# Altium PCB 24V-12V_5X4.PcbDoc (part 1 of 4) (continued)
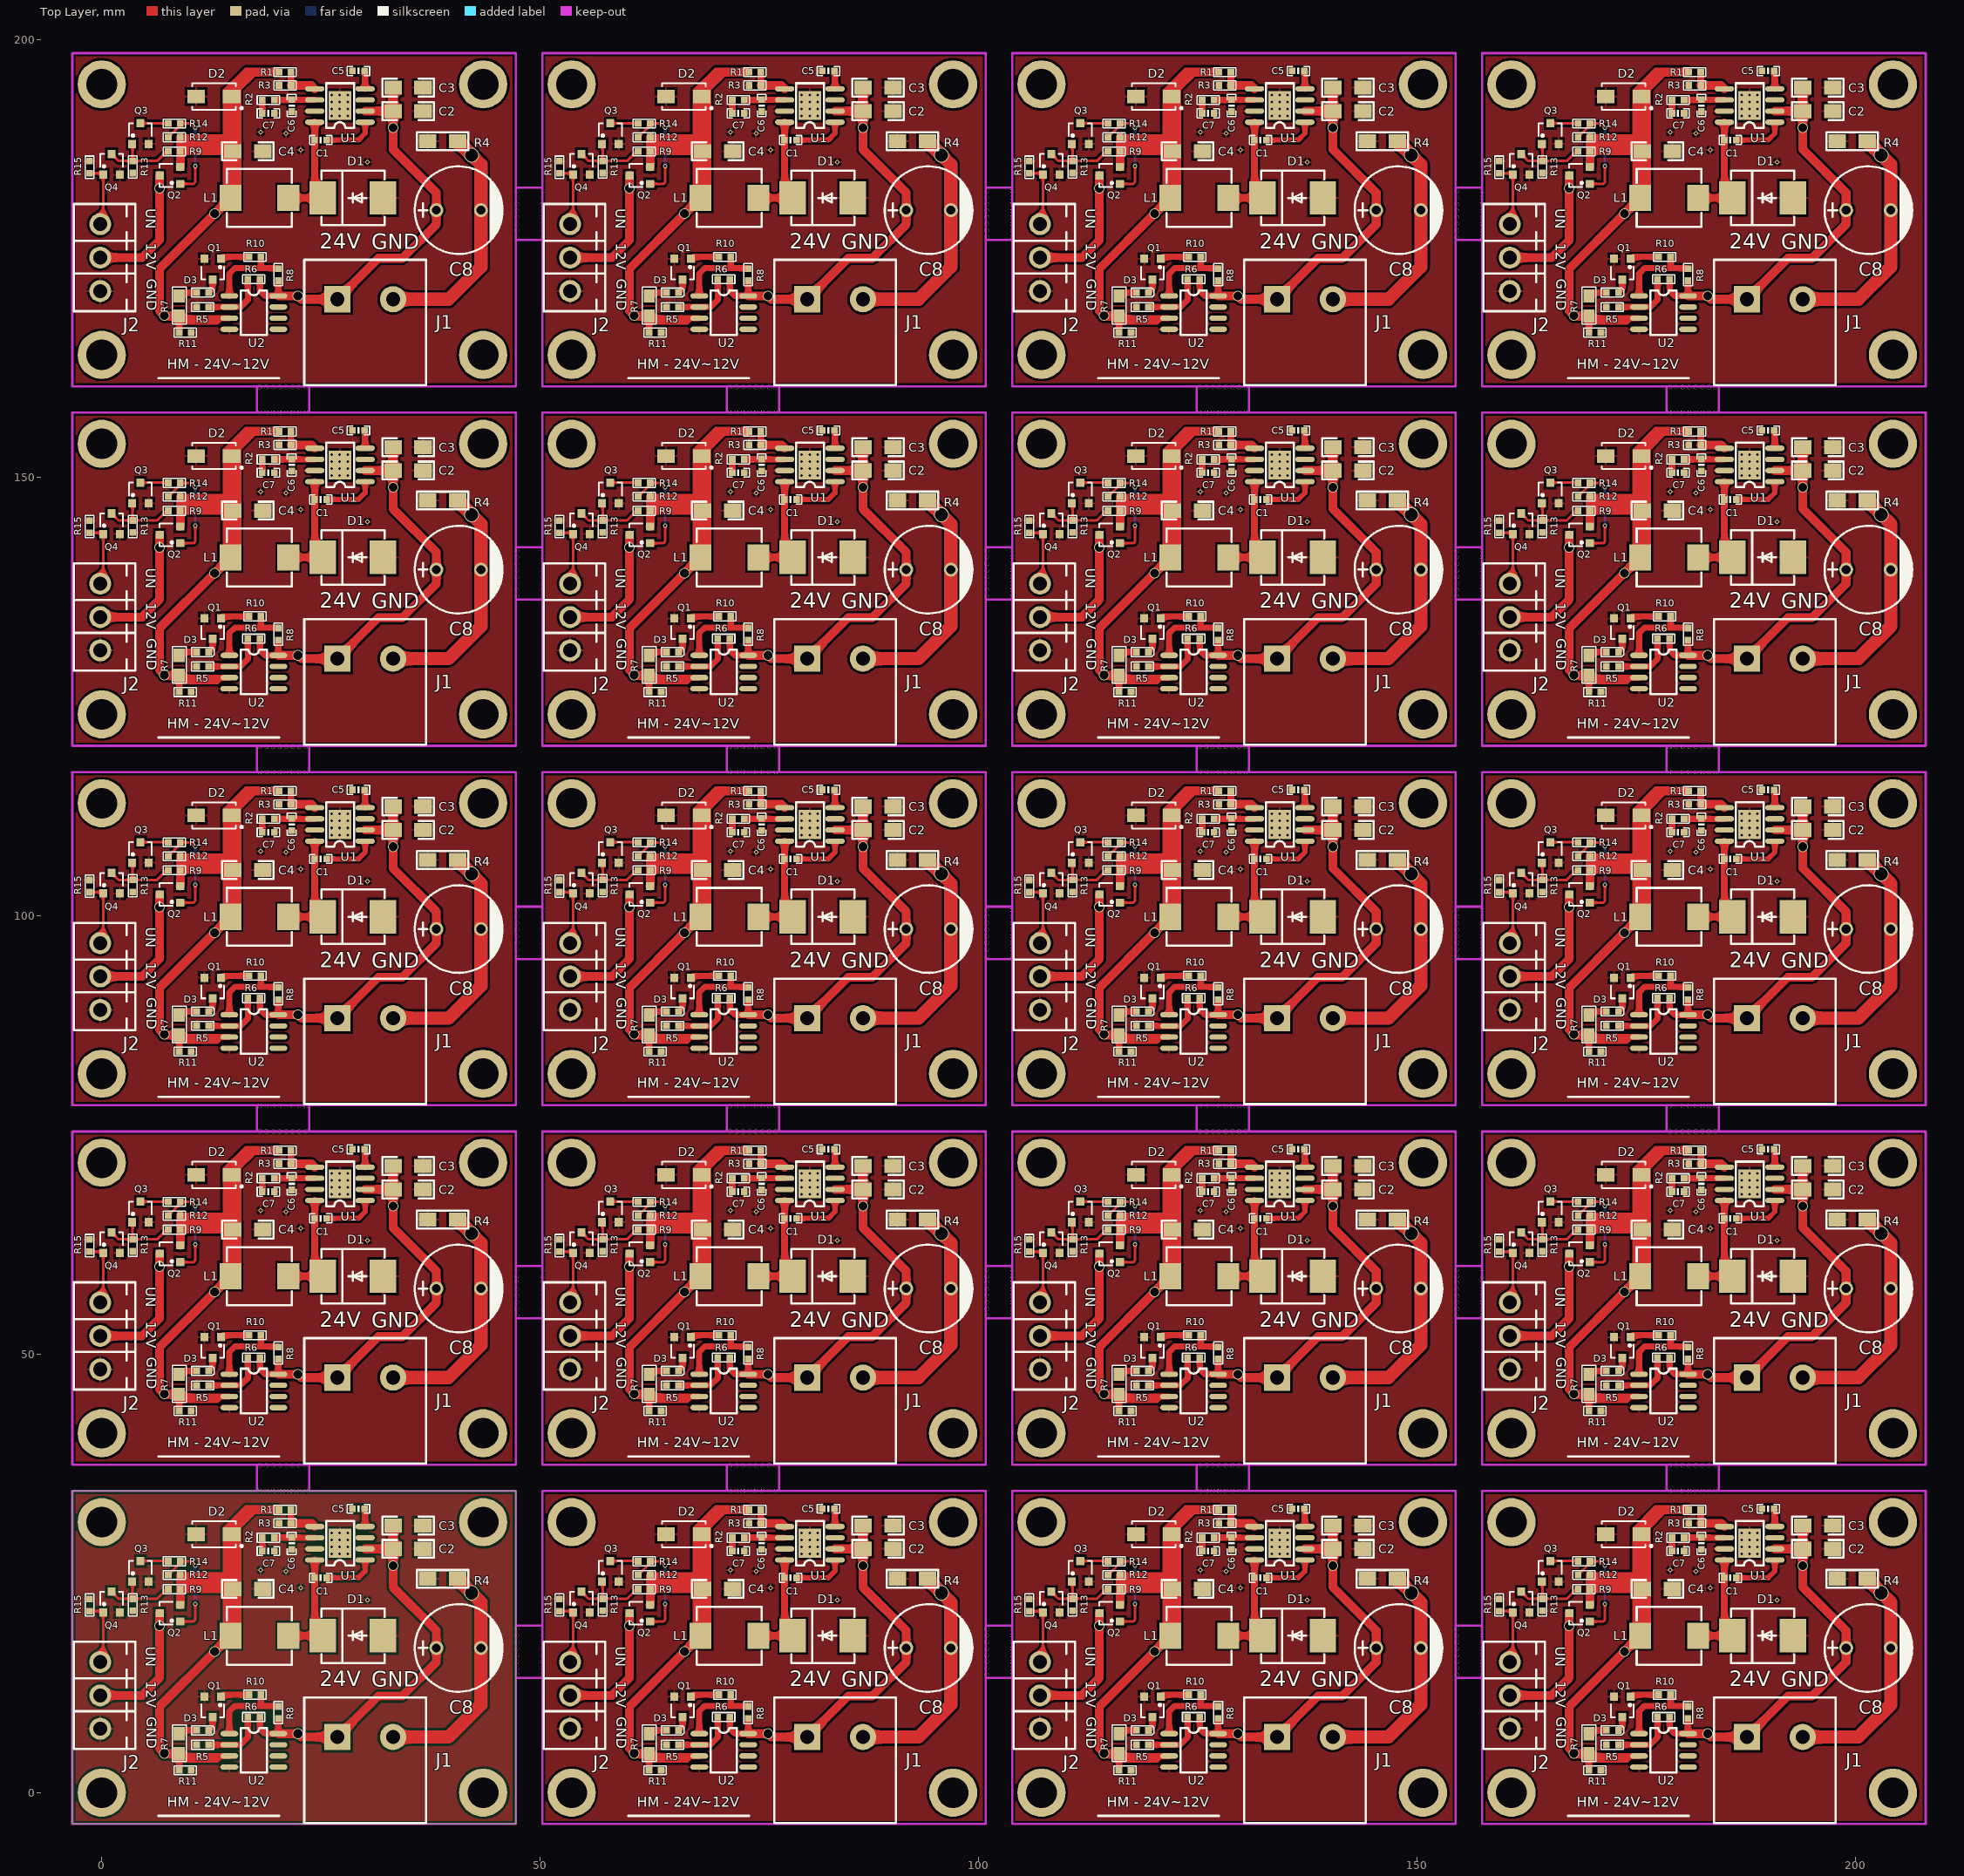
[diagram p0: Top Layer view]
## Components (designator, comment, footprint, x,y, rotation, side; value= is the part's Value field where it differs from the comment) (continued)
Q4 "AO3400" SOT-23-3 1.118,103.742 r0 top
Q4 "AO3400" SOT-23-3 54.718,103.742 r0 top
Q4 "AO3400" SOT-23-3 108.318,103.742 r0 top
Q4 "AO3400" SOT-23-3 161.918,103.742 r0 top
Q4 "AO3400" SOT-23-3 1.118,144.742 r0 top
Q4 "AO3400" SOT-23-3 54.718,144.742 r0 top
Q4 "AO3400" SOT-23-3 108.318,144.742 r0 top
Q4 "AO3400" SOT-23-3 161.918,144.742 r0 top
Q4 "AO3400" SOT-23-3 1.118,185.742 r0 top
Q4 "AO3400" SOT-23-3 54.718,185.742 r0 top
Q4 "AO3400" SOT-23-3 108.318,185.742 r0 top
Q4 "AO3400" SOT-23-3 161.918,185.742 r0 top
R1 "10.2KΩ/1%" 0603_R 20.904,32.258 r180 top
R1 "10.2KΩ/1%" 0603_R 74.504,32.258 r180 top
R1 "10.2KΩ/1%" 0603_R 128.104,32.258 r180 top
R1 "10.2KΩ/1%" 0603_R 181.704,32.258 r180 top
R1 "10.2KΩ/1%" 0603_R 20.904,73.258 r180 top
R1 "10.2KΩ/1%" 0603_R 74.504,73.258 r180 top
R1 "10.2KΩ/1%" 0603_R 128.104,73.258 r180 top
R1 "10.2KΩ/1%" 0603_R 181.704,73.258 r180 top
R1 "10.2KΩ/1%" 0603_R 20.904,114.258 r180 top
R1 "10.2KΩ/1%" 0603_R 74.504,114.258 r180 top
R1 "10.2KΩ/1%" 0603_R 128.104,114.258 r180 top
R1 "10.2KΩ/1%" 0603_R 181.704,114.258 r180 top
R1 "10.2KΩ/1%" 0603_R 20.904,155.258 r180 top
R1 "10.2KΩ/1%" 0603_R 74.504,155.258 r180 top
R1 "10.2KΩ/1%" 0603_R 128.104,155.258 r180 top
R1 "10.2KΩ/1%" 0603_R 181.704,155.258 r180 top
R1 "10.2KΩ/1%" 0603_R 20.904,196.258 r180 top
R1 "10.2KΩ/1%" 0603_R 74.504,196.258 r180 top
R1 "10.2KΩ/1%" 0603_R 128.104,196.258 r180 top
R1 "10.2KΩ/1%" 0603_R 181.704,196.258 r180 top
R2 "76.8KΩ/1%" 0603_R 18.999,29.086 r0 top
R2 "76.8KΩ/1%" 0603_R 72.599,29.086 r0 top
R2 "76.8KΩ/1%" 0603_R 126.199,29.086 r0 top
R2 "76.8KΩ/1%" 0603_R 179.799,29.086 r0 top
R2 "76.8KΩ/1%" 0603_R 18.999,70.086 r0 top
R2 "76.8KΩ/1%" 0603_R 72.599,70.086 r0 top
R2 "76.8KΩ/1%" 0603_R 126.199,70.086 r0 top
R2 "76.8KΩ/1%" 0603_R 179.799,70.086 r0 top
R2 "76.8KΩ/1%" 0603_R 18.999,111.086 r0 top
R2 "76.8KΩ/1%" 0603_R 72.599,111.086 r0 top
R2 "76.8KΩ/1%" 0603_R 126.199,111.086 r0 top
R2 "76.8KΩ/1%" 0603_R 179.799,111.086 r0 top
R2 "76.8KΩ/1%" 0603_R 18.999,152.086 r0 top
R2 "76.8KΩ/1%" 0603_R 72.599,152.086 r0 top
R2 "76.8KΩ/1%" 0603_R 126.199,152.086 r0 top
R2 "76.8KΩ/1%" 0603_R 179.799,152.086 r0 top
R2 "76.8KΩ/1%" 0603_R 18.999,193.086 r0 top
R2 "76.8KΩ/1%" 0603_R 72.599,193.086 r0 top
R2 "76.8KΩ/1%" 0603_R 126.199,193.086 r0 top
R2 "76.8KΩ/1%" 0603_R 179.799,193.086 r0 top
R3 "732Ω/1%" 0603_R 20.904,30.734 r0 top
R3 "732Ω/1%" 0603_R 74.504,30.734 r0 top
R3 "732Ω/1%" 0603_R 128.104,30.734 r0 top
R3 "732Ω/1%" 0603_R 181.704,30.734 r0 top
R3 "732Ω/1%" 0603_R 20.904,71.734 r0 top
R3 "732Ω/1%" 0603_R 74.504,71.734 r0 top
R3 "732Ω/1%" 0603_R 128.104,71.734 r0 top
R3 "732Ω/1%" 0603_R 181.704,71.734 r0 top
R3 "732Ω/1%" 0603_R 20.904,112.734 r0 top
R3 "732Ω/1%" 0603_R 74.504,112.734 r0 top
R3 "732Ω/1%" 0603_R 128.104,112.734 r0 top
R3 "732Ω/1%" 0603_R 181.704,112.734 r0 top
R3 "732Ω/1%" 0603_R 20.904,153.734 r0 top
R3 "732Ω/1%" 0603_R 74.504,153.734 r0 top
R3 "732Ω/1%" 0603_R 128.104,153.734 r0 top
R3 "732Ω/1%" 0603_R 181.704,153.734 r0 top
R3 "732Ω/1%" 0603_R 20.904,194.734 r0 top
R3 "732Ω/1%" 0603_R 74.504,194.734 r0 top
R3 "732Ω/1%" 0603_R 128.104,194.734 r0 top
R3 "732Ω/1%" 0603_R 181.704,194.734 r0 top
R4 "0Ω" 1206_R 37.16,24.384 r0 top
R4 "0Ω" 1206_R 90.76,24.384 r0 top
R4 "0Ω" 1206_R 144.36,24.384 r0 top
R4 "0Ω" 1206_R 197.96,24.384 r0 top
R4 "0Ω" 1206_R 37.16,65.384 r0 top
R4 "0Ω" 1206_R 90.76,65.384 r0 top
R4 "0Ω" 1206_R 144.36,65.384 r0 top
R4 "0Ω" 1206_R 197.96,65.384 r0 top
R4 "0Ω" 1206_R 37.16,106.384 r0 top
R4 "0Ω" 1206_R 90.76,106.384 r0 top
R4 "0Ω" 1206_R 144.36,106.384 r0 top
R4 "0Ω" 1206_R 197.96,106.384 r0 top
R4 "0Ω" 1206_R 37.16,147.384 r0 top
R4 "0Ω" 1206_R 90.76,147.384 r0 top
R4 "0Ω" 1206_R 144.36,147.384 r0 top
R4 "0Ω" 1206_R 197.96,147.384 r0 top
R4 "0Ω" 1206_R 37.16,188.384 r0 top
R4 "0Ω" 1206_R 90.76,188.384 r0 top
R4 "0Ω" 1206_R 144.36,188.384 r0 top
R4 "0Ω" 1206_R 197.96,188.384 r0 top
R5 "110KΩ" 0603_R 11.506,5.461 r0 top
R5 "110KΩ" 0603_R 65.106,5.461 r0 top
R5 "110KΩ" 0603_R 118.706,5.461 r0 top
R5 "110KΩ" 0603_R 172.306,5.461 r0 top
R5 "110KΩ" 0603_R 11.506,46.461 r0 top
R5 "110KΩ" 0603_R 65.106,46.461 r0 top
R5 "110KΩ" 0603_R 118.706,46.461 r0 top
R5 "110KΩ" 0603_R 172.306,46.461 r0 top
R5 "110KΩ" 0603_R 11.506,87.461 r0 top
R5 "110KΩ" 0603_R 65.106,87.461 r0 top
R5 "110KΩ" 0603_R 118.706,87.461 r0 top
R5 "110KΩ" 0603_R 172.306,87.461 r0 top
R5 "110KΩ" 0603_R 11.506,128.461 r0 top
R5 "110KΩ" 0603_R 65.106,128.461 r0 top
R5 "110KΩ" 0603_R 118.706,128.461 r0 top
R5 "110KΩ" 0603_R 172.306,128.461 r0 top
R5 "110KΩ" 0603_R 11.506,169.461 r0 top
R5 "110KΩ" 0603_R 65.106,169.461 r0 top
R5 "110KΩ" 0603_R 118.706,169.461 r0 top
R5 "110KΩ" 0603_R 172.306,169.461 r0 top
R6 "130KΩ" 0603_R 17.348,8.636 r0 top
R6 "130KΩ" 0603_R 70.948,8.636 r0 top
R6 "130KΩ" 0603_R 124.548,8.636 r0 top
R6 "130KΩ" 0603_R 178.148,8.636 r0 top
R6 "130KΩ" 0603_R 17.348,49.636 r0 top
R6 "130KΩ" 0603_R 70.948,49.636 r0 top
R6 "130KΩ" 0603_R 124.548,49.636 r0 top
R6 "130KΩ" 0603_R 178.148,49.636 r0 top
R6 "130KΩ" 0603_R 17.348,90.636 r0 top
R6 "130KΩ" 0603_R 70.948,90.636 r0 top
R6 "130KΩ" 0603_R 124.548,90.636 r0 top
R6 "130KΩ" 0603_R 178.148,90.636 r0 top
R6 "130KΩ" 0603_R 17.348,131.636 r0 top
R6 "130KΩ" 0603_R 70.948,131.636 r0 top
R6 "130KΩ" 0603_R 124.548,131.636 r0 top
R6 "130KΩ" 0603_R 178.148,131.636 r0 top
R6 "130KΩ" 0603_R 17.348,172.636 r0 top
R6 "130KΩ" 0603_R 70.948,172.636 r0 top
R6 "130KΩ" 0603_R 124.548,172.636 r0 top
R6 "130KΩ" 0603_R 178.148,172.636 r0 top
R7 "1.2KΩ" 0805_R 8.839,6.731 r270 top
R7 "1.2KΩ" 0805_R 62.439,6.731 r270 top
R7 "1.2KΩ" 0805_R 116.039,6.731 r270 top
R7 "1.2KΩ" 0805_R 169.639,6.731 r270 top
R7 "1.2KΩ" 0805_R 8.839,47.731 r270 top
R7 "1.2KΩ" 0805_R 62.439,47.731 r270 top
R7 "1.2KΩ" 0805_R 116.039,47.731 r270 top
R7 "1.2KΩ" 0805_R 169.639,47.731 r270 top
R7 "1.2KΩ" 0805_R 8.839,88.731 r270 top
R7 "1.2KΩ" 0805_R 62.439,88.731 r270 top
R7 "1.2KΩ" 0805_R 116.039,88.731 r270 top
R7 "1.2KΩ" 0805_R 169.639,88.731 r270 top
R7 "1.2KΩ" 0805_R 8.839,129.731 r270 top
R7 "1.2KΩ" 0805_R 62.439,129.731 r270 top
R7 "1.2KΩ" 0805_R 116.039,129.731 r270 top
R7 "1.2KΩ" 0805_R 169.639,129.731 r270 top
R7 "1.2KΩ" 0805_R 8.839,170.731 r270 top
R7 "1.2KΩ" 0805_R 62.439,170.731 r270 top
R7 "1.2KΩ" 0805_R 116.039,170.731 r270 top
R7 "1.2KΩ" 0805_R 169.639,170.731 r270 top
R8 "10KΩ" 0603_R 20.142,9.144 r90 top
R8 "10KΩ" 0603_R 73.742,9.144 r90 top
R8 "10KΩ" 0603_R 127.342,9.144 r90 top
R8 "10KΩ" 0603_R 180.942,9.144 r90 top
R8 "10KΩ" 0603_R 20.142,50.144 r90 top
R8 "10KΩ" 0603_R 73.742,50.144 r90 top
R8 "10KΩ" 0603_R 127.342,50.144 r90 top
R8 "10KΩ" 0603_R 180.942,50.144 r90 top
R8 "10KΩ" 0603_R 20.142,91.144 r90 top
R8 "10KΩ" 0603_R 73.742,91.144 r90 top
R8 "10KΩ" 0603_R 127.342,91.144 r90 top
R8 "10KΩ" 0603_R 180.942,91.144 r90 top
R8 "10KΩ" 0603_R 20.142,132.144 r90 top
R8 "10KΩ" 0603_R 73.742,132.144 r90 top
R8 "10KΩ" 0603_R 127.342,132.144 r90 top
R8 "10KΩ" 0603_R 180.942,132.144 r90 top
R8 "10KΩ" 0603_R 20.142,173.144 r90 top
R8 "10KΩ" 0603_R 73.742,173.144 r90 top
R8 "10KΩ" 0603_R 127.342,173.144 r90 top
R8 "10KΩ" 0603_R 180.942,173.144 r90 top
R9 "30KΩ/1%" 0603_R 8.28,23.216 r180 top
R9 "30KΩ/1%" 0603_R 61.88,23.216 r180 top
R9 "30KΩ/1%" 0603_R 115.48,23.216 r180 top
R9 "30KΩ/1%" 0603_R 169.08,23.216 r180 top
R9 "30KΩ/1%" 0603_R 8.28,64.216 r180 top
R9 "30KΩ/1%" 0603_R 61.88,64.216 r180 top
R9 "30KΩ/1%" 0603_R 115.48,64.216 r180 top
R9 "30KΩ/1%" 0603_R 169.08,64.216 r180 top
R9 "30KΩ/1%" 0603_R 8.28,105.216 r180 top
R9 "30KΩ/1%" 0603_R 61.88,105.216 r180 top
R9 "30KΩ/1%" 0603_R 115.48,105.216 r180 top
R9 "30KΩ/1%" 0603_R 169.08,105.216 r180 top
R9 "30KΩ/1%" 0603_R 8.28,146.216 r180 top
R9 "30KΩ/1%" 0603_R 61.88,146.216 r180 top
R9 "30KΩ/1%" 0603_R 115.48,146.216 r180 top
R9 "30KΩ/1%" 0603_R 169.08,146.216 r180 top
R9 "30KΩ/1%" 0603_R 8.28,187.216 r180 top
R9 "30KΩ/1%" 0603_R 61.88,187.216 r180 top
R9 "30KΩ/1%" 0603_R 115.48,187.216 r180 top
R9 "30KΩ/1%" 0603_R 169.08,187.216 r180 top
R10 "1KΩ" 0603_R 17.475,11.176 r180 top
R10 "1KΩ" 0603_R 71.075,11.176 r180 top
R10 "1KΩ" 0603_R 124.675,11.176 r180 top
R10 "1KΩ" 0603_R 178.275,11.176 r180 top
R10 "1KΩ" 0603_R 17.475,52.176 r180 top
R10 "1KΩ" 0603_R 71.075,52.176 r180 top
R10 "1KΩ" 0603_R 124.675,52.176 r180 top
R10 "1KΩ" 0603_R 178.275,52.176 r180 top
R10 "1KΩ" 0603_R 17.475,93.176 r180 top
R10 "1KΩ" 0603_R 71.075,93.176 r180 top
R10 "1KΩ" 0603_R 124.675,93.176 r180 top
R10 "1KΩ" 0603_R 178.275,93.176 r180 top
R10 "1KΩ" 0603_R 17.475,134.176 r180 top
R10 "1KΩ" 0603_R 71.075,134.176 r180 top
R10 "1KΩ" 0603_R 124.675,134.176 r180 top
R10 "1KΩ" 0603_R 178.275,134.176 r180 top
R10 "1KΩ" 0603_R 17.475,175.176 r180 top
R10 "1KΩ" 0603_R 71.075,175.176 r180 top
R10 "1KΩ" 0603_R 124.675,175.176 r180 top
R10 "1KΩ" 0603_R 178.275,175.176 r180 top
R11 "130KΩ" 0603_R 9.525,2.54 r180 top
R11 "130KΩ" 0603_R 63.125,2.54 r180 top
R11 "130KΩ" 0603_R 116.725,2.54 r180 top
R11 "130KΩ" 0603_R 170.325,2.54 r180 top
R11 "130KΩ" 0603_R 9.525,43.54 r180 top
R11 "130KΩ" 0603_R 63.125,43.54 r180 top
R11 "130KΩ" 0603_R 116.725,43.54 r180 top
R11 "130KΩ" 0603_R 170.325,43.54 r180 top
R11 "130KΩ" 0603_R 9.525,84.54 r180 top
R11 "130KΩ" 0603_R 63.125,84.54 r180 top
R11 "130KΩ" 0603_R 116.725,84.54 r180 top
R11 "130KΩ" 0603_R 170.325,84.54 r180 top
R11 "130KΩ" 0603_R 9.525,125.54 r180 top
R11 "130KΩ" 0603_R 63.125,125.54 r180 top
R11 "130KΩ" 0603_R 116.725,125.54 r180 top
R11 "130KΩ" 0603_R 170.325,125.54 r180 top
R11 "130KΩ" 0603_R 9.525,166.54 r180 top
R11 "130KΩ" 0603_R 63.125,166.54 r180 top
R11 "130KΩ" 0603_R 116.725,166.54 r180 top
R11 "130KΩ" 0603_R 170.325,166.54 r180 top
R12 "30KΩ/1%" 0603_R 8.28,24.816 r180 top
R12 "30KΩ/1%" 0603_R 61.88,24.816 r180 top
R12 "30KΩ/1%" 0603_R 115.48,24.816 r180 top
R12 "30KΩ/1%" 0603_R 169.08,24.816 r180 top
R12 "30KΩ/1%" 0603_R 8.28,65.816 r180 top
R12 "30KΩ/1%" 0603_R 61.88,65.816 r180 top
R12 "30KΩ/1%" 0603_R 115.48,65.816 r180 top
R12 "30KΩ/1%" 0603_R 169.08,65.816 r180 top
R12 "30KΩ/1%" 0603_R 8.28,106.816 r180 top
R12 "30KΩ/1%" 0603_R 61.88,106.816 r180 top
R12 "30KΩ/1%" 0603_R 115.48,106.816 r180 top
R12 "30KΩ/1%" 0603_R 169.08,106.816 r180 top
R12 "30KΩ/1%" 0603_R 8.28,147.816 r180 top
R12 "30KΩ/1%" 0603_R 61.88,147.816 r180 top
R12 "30KΩ/1%" 0603_R 115.48,147.816 r180 top
R12 "30KΩ/1%" 0603_R 169.08,147.816 r180 top
R12 "30KΩ/1%" 0603_R 8.28,188.816 r180 top
R12 "30KΩ/1%" 0603_R 61.88,188.816 r180 top
R12 "30KΩ/1%" 0603_R 115.48,188.816 r180 top
R12 "30KΩ/1%" 0603_R 169.08,188.816 r180 top
R13 "10KΩ/1%" 0603_R 3.531,21.438 r270 top
R13 "10KΩ/1%" 0603_R 57.131,21.438 r270 top
R13 "10KΩ/1%" 0603_R 110.731,21.438 r270 top
R13 "10KΩ/1%" 0603_R 164.331,21.438 r270 top
R13 "10KΩ/1%" 0603_R 3.531,62.438 r270 top
R13 "10KΩ/1%" 0603_R 57.131,62.438 r270 top
R13 "10KΩ/1%" 0603_R 110.731,62.438 r270 top
R13 "10KΩ/1%" 0603_R 164.331,62.438 r270 top
R13 "10KΩ/1%" 0603_R 3.531,103.438 r270 top
R13 "10KΩ/1%" 0603_R 57.131,103.438 r270 top
R13 "10KΩ/1%" 0603_R 110.731,103.438 r270 top
R13 "10KΩ/1%" 0603_R 164.331,103.438 r270 top
R13 "10KΩ/1%" 0603_R 3.531,144.438 r270 top
R13 "10KΩ/1%" 0603_R 57.131,144.438 r270 top
R13 "10KΩ/1%" 0603_R 110.731,144.438 r270 top
R13 "10KΩ/1%" 0603_R 164.331,144.438 r270 top
R13 "10KΩ/1%" 0603_R 3.531,185.438 r270 top
R13 "10KΩ/1%" 0603_R 57.131,185.438 r270 top
R13 "10KΩ/1%" 0603_R 110.731,185.438 r270 top
R13 "10KΩ/1%" 0603_R 164.331,185.438 r270 top
R14 "30KΩ/1%" 0603_R 8.28,26.391 r180 top
R14 "30KΩ/1%" 0603_R 61.88,26.391 r180 top
R14 "30KΩ/1%" 0603_R 115.48,26.391 r180 top
R14 "30KΩ/1%" 0603_R 169.08,26.391 r180 top
R14 "30KΩ/1%" 0603_R 8.28,67.391 r180 top
R14 "30KΩ/1%" 0603_R 61.88,67.391 r180 top
R14 "30KΩ/1%" 0603_R 115.48,67.391 r180 top
R14 "30KΩ/1%" 0603_R 169.08,67.391 r180 top
R14 "30KΩ/1%" 0603_R 8.28,108.391 r180 top
R14 "30KΩ/1%" 0603_R 61.88,108.391 r180 top
R14 "30KΩ/1%" 0603_R 115.48,108.391 r180 top
R14 "30KΩ/1%" 0603_R 169.08,108.391 r180 top
R14 "30KΩ/1%" 0603_R 8.28,149.391 r180 top
R14 "30KΩ/1%" 0603_R 61.88,149.391 r180 top
R14 "30KΩ/1%" 0603_R 115.48,149.391 r180 top
R14 "30KΩ/1%" 0603_R 169.08,149.391 r180 top
R14 "30KΩ/1%" 0603_R 8.28,190.391 r180 top
R14 "30KΩ/1%" 0603_R 61.88,190.391 r180 top
R14 "30KΩ/1%" 0603_R 115.48,190.391 r180 top
R14 "30KΩ/1%" 0603_R 169.08,190.391 r180 top
R15 "30KΩ/1%" 0603_R -1.397,21.412 r270 top
R15 "30KΩ/1%" 0603_R 52.203,21.412 r270 top
R15 "30KΩ/1%" 0603_R 105.803,21.412 r270 top
R15 "30KΩ/1%" 0603_R 159.403,21.412 r270 top
R15 "30KΩ/1%" 0603_R -1.397,62.412 r270 top
R15 "30KΩ/1%" 0603_R 52.203,62.412 r270 top
R15 "30KΩ/1%" 0603_R 105.803,62.412 r270 top
R15 "30KΩ/1%" 0603_R 159.403,62.412 r270 top
R15 "30KΩ/1%" 0603_R -1.397,103.412 r270 top
R15 "30KΩ/1%" 0603_R 52.203,103.412 r270 top
R15 "30KΩ/1%" 0603_R 105.803,103.412 r270 top
R15 "30KΩ/1%" 0603_R 159.403,103.412 r270 top
R15 "30KΩ/1%" 0603_R -1.397,144.412 r270 top
R15 "30KΩ/1%" 0603_R 52.203,144.412 r270 top
R15 "30KΩ/1%" 0603_R 105.803,144.412 r270 top
R15 "30KΩ/1%" 0603_R 159.403,144.412 r270 top
R15 "30KΩ/1%" 0603_R -1.397,185.412 r270 top
R15 "30KΩ/1%" 0603_R 52.203,185.412 r270 top
R15 "30KΩ/1%" 0603_R 105.803,185.412 r270 top
R15 "30KΩ/1%" 0603_R 159.403,185.412 r270 top
U1 "TPS54331" SO-8-POWERPAD（1.27/3.8*5） 30.048,26.543 r180 top
U1 "TPS54331" SO-8-POWERPAD（1.27/3.8*5） 83.648,26.543 r180 top
U1 "TPS54331" SO-8-POWERPAD（1.27/3.8*5） 137.248,26.543 r180 top
U1 "TPS54331" SO-8-POWERPAD（1.27/3.8*5） 190.848,26.543 r180 top
U1 "TPS54331" SO-8-POWERPAD（1.27/3.8*5） 30.048,67.543 r180 top
U1 "TPS54331" SO-8-POWERPAD（1.27/3.8*5） 83.648,67.543 r180 top
U1 "TPS54331" SO-8-POWERPAD（1.27/3.8*5） 137.248,67.543 r180 top
U1 "TPS54331" SO-8-POWERPAD（1.27/3.8*5） 190.848,67.543 r180 top
U1 "TPS54331" SO-8-POWERPAD（1.27/3.8*5） 30.048,108.543 r180 top
U1 "TPS54331" SO-8-POWERPAD（1.27/3.8*5） 83.648,108.543 r180 top
U1 "TPS54331" SO-8-POWERPAD（1.27/3.8*5） 137.248,108.543 r180 top
U1 "TPS54331" SO-8-POWERPAD（1.27/3.8*5） 190.848,108.543 r180 top
U1 "TPS54331" SO-8-POWERPAD（1.27/3.8*5） 30.048,149.543 r180 top
U1 "TPS54331" SO-8-POWERPAD（1.27/3.8*5） 83.648,149.543 r180 top
U1 "TPS54331" SO-8-POWERPAD（1.27/3.8*5） 137.248,149.543 r180 top
U1 "TPS54331" SO-8-POWERPAD（1.27/3.8*5） 190.848,149.543 r180 top
U1 "TPS54331" SO-8-POWERPAD（1.27/3.8*5） 30.048,190.543 r180 top
U1 "TPS54331" SO-8-POWERPAD（1.27/3.8*5） 83.648,190.543 r180 top
U1 "TPS54331" SO-8-POWERPAD（1.27/3.8*5） 137.248,190.543 r180 top
U1 "TPS54331" SO-8-POWERPAD（1.27/3.8*5） 190.848,190.543 r180 top
U2 "DUAL OPAMP" SO-8（1.27/3.8*5） 14.554,6.731 r0 top
U2 "DUAL OPAMP" SO-8（1.27/3.8*5） 68.154,6.731 r0 top
U2 "DUAL OPAMP" SO-8（1.27/3.8*5） 121.754,6.731 r0 top
U2 "DUAL OPAMP" SO-8（1.27/3.8*5） 175.354,6.731 r0 top
U2 "DUAL OPAMP" SO-8（1.27/3.8*5） 14.554,47.731 r0 top
U2 "DUAL OPAMP" SO-8（1.27/3.8*5） 68.154,47.731 r0 top
U2 "DUAL OPAMP" SO-8（1.27/3.8*5） 121.754,47.731 r0 top
U2 "DUAL OPAMP" SO-8（1.27/3.8*5） 175.354,47.731 r0 top
U2 "DUAL OPAMP" SO-8（1.27/3.8*5） 14.554,88.731 r0 top
U2 "DUAL OPAMP" SO-8（1.27/3.8*5） 68.154,88.731 r0 top
U2 "DUAL OPAMP" SO-8（1.27/3.8*5） 121.754,88.731 r0 top
U2 "DUAL OPAMP" SO-8（1.27/3.8*5） 175.354,88.731 r0 top
U2 "DUAL OPAMP" SO-8（1.27/3.8*5） 14.554,129.731 r0 top
U2 "DUAL OPAMP" SO-8（1.27/3.8*5） 68.154,129.731 r0 top
U2 "DUAL OPAMP" SO-8（1.27/3.8*5） 121.754,129.731 r0 top
U2 "DUAL OPAMP" SO-8（1.27/3.8*5） 175.354,129.731 r0 top
U2 "DUAL OPAMP" SO-8（1.27/3.8*5） 14.554,170.731 r0 top
U2 "DUAL OPAMP" SO-8（1.27/3.8*5） 68.154,170.731 r0 top
U2 "DUAL OPAMP" SO-8（1.27/3.8*5） 121.754,170.731 r0 top
U2 "DUAL OPAMP" SO-8（1.27/3.8*5） 175.354,170.731 r0 top

## Footprints (in the part's own frame and the unit in brackets; to place one, negate y for a bottom-side part, rotate by r counter-clockwise, add the part's x,y. Pads: shape width x height; smd on the part's side, far side on the other; paste and mask are expansions set on the pad)
0603_C [mil] "电容"
  rect 30x30 smd: 1(-27,0) 2(27.5,-0.06)
  silkscreen extent -50,-20 50,20
0603_D [mil] "贴片发光二极管"
  rect 30x30 smd: 1(-27,0) 2(27.5,-0.06)
  silkscreen extent -50,-20 52,20
0603_R [mil] "电阻"
  rect 30x30 smd: 1(-27,0) 2(27.5,-0.06)
  silkscreen extent -50,-20 50,20
0805_R [mil] "电阻"
  rect 60x50 smd: 1(0.11,0.06) 2(90.11,0.06)
  silkscreen extent -39,-31 126,32
1206_C [mm] "电容"
  rect 2x1.6 smd: 1(3.432,0.001) 2(0.003,0.001)
  silkscreen extent -1.22,-1.02 4.65,1.02
1206_R [mm] "电阻"
  rect 2x1.6 smd: 1(3.432,0.001) 2(0.003,0.001)
  silkscreen extent -1.22,-1.02 4.65,1.02
EC-DIP_BD10.0-P5.00-D1.0-FD [mm] "直插电解电容"
  round 1.6 hole 1: 1(-2.54,0) 2(2.54,0)
  silkscreen extent -4.99,-5 5.08,5
HB611-6.35-2P [mm]
  rect 3x3 hole 1.6 mask+0.051: 1(-3.175,0)
  round 3 hole 1.6 mask+0.051: 2(3.175,0)
  silkscreen extent -6.95,-9.8 6.95,4.5
IND-SMD_0630 [mm]
  rect 2.5x3 smd: 1(-3.302,0) 2(3.302,0)
  silkscreen extent -3.7,-3.3 3.7,3.3
KF2EDGV-3.81-3P [mm]
  round 2.5 hole 1.6: 1(-7.62,0) 2(-3.81,0) 3(0,0)
  silkscreen extent -9.93,-4 2.3,3
SMA/DO214AC [mm] "二极管"
  rect 2x1.55 smd: 1(-1.725,1.1) 2(2.325,1.1)
  silkscreen extent -2.2,-0.4 3.57,2.6, body extent -2.2,-0.4 2.8,2.6, height 2.69
SMC/DO214AB [mm]
  rect 3.03x3.82 smd: 1(-3.435,0) 2(3.435,0)
  silkscreen extent -3.6,-3.11 3.6,3.11
SO-8-POWERPAD（1.27/3.8*5） [mm]
  oval 2.2x0.61 smd: 1(0.003,0.001) 2(0.003,-1.269) 3(0.003,-2.539) 4(0.003,-3.809) 5(5.75,-3.809) 6(5.75,-2.539) 7(5.75,-1.269) 8(5.75,0.001)
  rect 2.6x3.3 smd: 9(2.87,-1.905)
  silkscreen extent 1.27,-4.44 4.45,0.64
SO-8（1.27/3.8*5） [mil]
  oval 80x24 smd: 1(0.11,0.06) 2(0.11,-49.94) 3(0.11,-99.94) 4(0.11,-149.94) 5(220.11,-149.94) 6(220.11,-99.94) 7(220.11,-49.94) 8(220.11,0.06)
  silkscreen extent 51,-175 169,25
SOT-23-3 [mm]
  rect 0.9x0.95 smd: 1(-0.95,-1.175) 2(0.95,-1.175) 3(0,1.175)
  silkscreen extent -1.3,-0.35 1.3,1.18

## Part data
C1 C1 C1 C1 C1 C1 C1 C1 C1 C1 C1 C1 C1 C1 C1 C1 C1 C1 C1 C1 C2 C2 C2 C2 C2 C2 C2 C2 C2 C2 C2 C2 C2 C2 C2 C2 C2 C2 C2 C2 C3 C3 C3 C3 C3 C3 C3 C3 C3 C3 C3 C3 C3 C3 C3 C3 C3 C3 C3 C3 C4 C4 C4 C4 C4 C4 C4 C4 C4 C4 C4 C4 C4 C4 C4 C4 C4 C4 C4 C4 C5 C5 C5 C5 C5 C5 C5 C5 C5 C5 C5 C5 C5 C5 C5 C5 C5 C5 C5 C5 C6 C6 C6 C6 C6 C6 C6 C6 C6 C6 C6 C6 C6 C6 C6 C6 C6 C6 C6 C6 C7 C7 C7 C7 C7 C7 C7 C7 C7 C7 C7 C7 C7 C7 C7 C7 C7 C7 C7 C7: library part CAP, "无极性电容"
C8 C8 C8 C8 C8 C8 C8 C8 C8 C8 C8 C8 C8 C8 C8 C8 C8 C8 C8 C8: library part "CAP POLAR", "电解电容"
D1 D1 D1 D1 D1 D1 D1 D1 D1 D1 D1 D1 D1 D1 D1 D1 D1 D1 D1 D1: library part Diodes, "肖特基二极管/10A"
D2 D2 D2 D2 D2 D2 D2 D2 D2 D2 D2 D2 D2 D2 D2 D2 D2 D2 D2 D2: library part "Zener diode", "5V 单向TVS"
D3 D3 D3 D3 D3 D3 D3 D3 D3 D3 D3 D3 D3 D3 D3 D3 D3 D3 D3 D3: library part LED, "发光二极管"
J1 J1 J1 J1 J1 J1 J1 J1 J1 J1 J1 J1 J1 J1 J1 J1 J1 J1 J1 J1: "单排2P插座"
J2 J2 J2 J2 J2 J2 J2 J2 J2 J2 J2 J2 J2 J2 J2 J2 J2 J2 J2 J2: "单排3P插座"
L1 L1 L1 L1 L1 L1 L1 L1 L1 L1 L1 L1 L1 L1 L1 L1 L1 L1 L1 L1: library part INDUCTOR, "电感"
Q1 Q1 Q1 Q1 Q1 Q1 Q1 Q1 Q1 Q1 Q1 Q1 Q1 Q1 Q1 Q1 Q1 Q1 Q1 Q1: "NPN三极管"
Q2 Q2 Q2 Q2 Q2 Q2 Q2 Q2 Q2 Q2 Q2 Q2 Q2 Q2 Q2 Q2 Q2 Q2 Q2 Q2: library part MOSFET_P, "P-Channel MOSFET"
Q3 Q3 Q3 Q3 Q3 Q3 Q3 Q3 Q3 Q3 Q3 Q3 Q3 Q3 Q3 Q3 Q3 Q3 Q3 Q3 Q4 Q4 Q4 Q4 Q4 Q4 Q4 Q4 Q4 Q4 Q4 Q4 Q4 Q4 Q4 Q4 Q4 Q4 Q4 Q4: library part MOSFET-N, "N-Channel MOSFET"
R1 R1 R1 R1 R1 R1 R1 R1 R1 R1 R1 R1 R1 R1 R1 R1 R1 R1 R1 R1 R2 R2 R2 R2 R2 R2 R2 R2 R2 R2 R2 R2 R2 R2 R2 R2 R2 R2 R2 R2 R3 R3 R3 R3 R3 R3 R3 R3 R3 R3 R3 R3 R3 R3 R3 R3 R3 R3 R3 R3 R4 R4 R4 R4 R4 R4 R4 R4 R4 R4 R4 R4 R4 R4 R4 R4 R4 R4 R4 R4 R5 R5 R5 R5 R5 R5 R5 R5 R5 R5 R5 R5 R5 R5 R5 R5 R5 R5 R5 R5 R6 R6 R6 R6 R6 R6 R6 R6 R6 R6 R6 R6 R6 R6 R6 R6 R6 R6 R6 R6 R7 R7 R7 R7 R7 R7 R7 R7 R7 R7 R7 R7 R7 R7 R7 R7 R7 R7 R7 R7 R8 R8 R8 R8 R8 R8 R8 R8 R8 R8 R8 R8 R8 R8 R8 R8 R8 R8 R8 R8 R9 R9 R9 R9 R9 R9 R9 R9 R9 R9 R9 R9 R9 R9 R9 R9 R9 R9 R9 R9 R10 R10 R10 R10 R10 R10 R10 R10 R10 R10 R10 R10 R10 R10 R10 R10 R10 R10 R10 R10 R11 R11 R11 R11 R11 R11 R11 R11 R11 R11 R11 R11 R11 R11 R11 R11 R11 R11 R11 R11 R12 R12 R12 R12 R12 R12 R12 R12 R12 R12 R12 R12 R12 R12 R12 R12 R12 R12 R12 R12 R13 R13 R13 R13 R13 R13 R13 R13 R13 R13 R13 R13 R13 R13 R13 R13 R13 R13 R13 R13 R14 R14 R14 R14 R14 R14 R14 R14 R14 R14 R14 R14 R14 R14 R14 R14 R14 R14 R14 R14 R15 R15 R15 R15 R15 R15 R15 R15 R15 R15 R15 R15 R15 R15 R15 R15 R15 R15 R15 R15: library part RES2, "电阻"
U1 U1 U1 U1 U1 U1 U1 U1 U1 U1 U1 U1 U1 U1 U1 U1 U1 U1 U1 U1: library part TPS54531, "DC-DC/5A"
U2 U2 U2 U2 U2 U2 U2 U2 U2 U2 U2 U2 U2 U2 U2 U2 U2 U2 U2 U2: "双运放"

## Free pads (board coordinates)
  round 0.5 hole 0.5: 5(23.284,34.421) 5(23.284,37.342) 5(23.284,75.421) 5(23.284,78.342) 5(23.284,116.421) 5(23.284,119.342) 5(23.284,157.421) 5(23.284,160.342) 5(47.346,18.687) 5(47.346,59.687) 5(47.346,100.687) 5(47.346,141.687) 5(47.346,182.687) 5(50.267,18.687) 5(50.267,59.687) 5(50.267,100.687) 5(50.267,141.687) 5(50.267,182.687) 5(76.884,34.421) 5(76.884,37.342) 5(76.884,75.421) 5(76.884,78.342) 5(76.884,116.421) 5(76.884,119.342) 5(76.884,157.421) 5(76.884,160.342) 5(100.946,18.687) 5(100.946,59.687) 5(100.946,100.687) 5(100.946,141.687) 5(100.946,182.687) 5(103.867,18.687) 5(103.867,59.687) 5(103.867,100.687) 5(103.867,141.687) 5(103.867,182.687) 5(130.484,34.421) 5(130.484,37.342) 5(130.484,75.421) 5(130.484,78.342) 5(130.484,116.421) 5(130.484,119.342) 5(130.484,157.421) 5(130.484,160.342) 5(154.546,18.687) 5(154.546,59.687) 5(154.546,100.687) 5(154.546,141.687) 5(154.546,182.687) 5(157.467,18.687) 5(157.467,59.687) 5(157.467,100.687) 5(157.467,141.687) 5(157.467,182.687) 5(184.084,34.421) 5(184.084,37.342) 5(184.084,75.421) 5(184.084,78.342) 5(184.084,116.421) 5(184.084,119.342) 5(184.084,157.421) 5(184.084,160.342) 6(22.534,34.421) 6(22.534,37.342) 6(22.534,75.421) 6(22.534,78.342) 6(22.534,116.421) 6(22.534,119.342) 6(22.534,157.421) 6(22.534,160.342) 6(47.346,17.937) 6(47.346,58.937) 6(47.346,99.937) 6(47.346,140.937) 6(47.346,181.937) 6(50.267,17.937) 6(50.267,58.937) 6(50.267,99.937) 6(50.267,140.937) 6(50.267,181.937) 6(76.134,34.421) 6(76.134,37.342) 6(76.134,75.421) 6(76.134,78.342) 6(76.134,116.421) 6(76.134,119.342) 6(76.134,157.421) 6(76.134,160.342) 6(100.946,17.937) 6(100.946,58.937) 6(100.946,99.937) 6(100.946,140.937) 6(100.946,181.937) 6(103.867,17.937) 6(103.867,58.937) 6(103.867,99.937) 6(103.867,140.937) 6(103.867,181.937) 6(129.734,34.421) 6(129.734,37.342) 6(129.734,75.421) 6(129.734,78.342) 6(129.734,116.421) 6(129.734,119.342) 6(129.734,157.421) 6(129.734,160.342) 6(154.546,17.937) 6(154.546,58.937) 6(154.546,99.937) 6(154.546,140.937) 6(154.546,181.937) 6(157.467,17.937) 6(157.467,58.937) 6(157.467,99.937) 6(157.467,140.937) 6(157.467,181.937) 6(183.334,34.421) 6(183.334,37.342) 6(183.334,75.421) 6(183.334,78.342) 6(183.334,116.421) 6(183.334,119.342) 6(183.334,157.421) 6(183.334,160.342) 7(21.784,34.421) 7(21.784,37.342) 7(21.784,75.421) 7(21.784,78.342) 7(21.784,116.421) 7(21.784,119.342) 7(21.784,157.421) 7(21.784,160.342) 7(47.346,17.187) 7(47.346,58.187) 7(47.346,99.187) 7(47.346,140.187) 7(47.346,181.187) 7(50.267,17.187) 7(50.267,58.187) 7(50.267,99.187) 7(50.267,140.187) 7(50.267,181.187) 7(75.384,34.421) 7(75.384,37.342) 7(75.384,75.421) 7(75.384,78.342) 7(75.384,116.421) 7(75.384,119.342) 7(75.384,157.421) 7(75.384,160.342) 7(100.946,17.187) 7(100.946,58.187) 7(100.946,99.187) 7(100.946,140.187) 7(100.946,181.187) 7(103.867,17.187) 7(103.867,58.187) 7(103.867,99.187) 7(103.867,140.187) 7(103.867,181.187) 7(128.984,34.421) 7(128.984,37.342) 7(128.984,75.421) 7(128.984,78.342) 7(128.984,116.421) 7(128.984,119.342) 7(128.984,157.421) 7(128.984,160.342) 7(154.546,17.187) 7(154.546,58.187) 7(154.546,99.187) 7(154.546,140.187) 7(154.546,181.187) 7(157.467,17.187) 7(157.467,58.187) 7(157.467,99.187) 7(157.467,140.187) 7(157.467,181.187) 7(182.584,34.421) 7(182.584,37.342) 7(182.584,75.421) 7(182.584,78.342) 7(182.584,116.421) 7(182.584,119.342) 7(182.584,157.421) 7(182.584,160.342) 8(21.034,34.421) 8(21.034,37.342) 8(21.034,75.421) 8(21.034,78.342) 8(21.034,116.421) 8(21.034,119.342) 8(21.034,157.421) 8(21.034,160.342) 8(47.346,16.437) 8(47.346,57.437) 8(47.346,98.437) 8(47.346,139.437) 8(47.346,180.437) 8(50.267,16.437) 8(50.267,57.437) 8(50.267,98.437) 8(50.267,139.437) 8(50.267,180.437) 8(74.634,34.421) 8(74.634,37.342) 8(74.634,75.421) 8(74.634,78.342) 8(74.634,116.421) 8(74.634,119.342) 8(74.634,157.421) 8(74.634,160.342) 8(100.946,16.437) 8(100.946,57.437) 8(100.946,98.437) 8(100.946,139.437) 8(100.946,180.437) 8(103.867,16.437) 8(103.867,57.437) 8(103.867,98.437) 8(103.867,139.437) 8(103.867,180.437) 8(128.234,34.421) 8(128.234,37.342) 8(128.234,75.421) 8(128.234,78.342) 8(128.234,116.421) 8(128.234,119.342) 8(128.234,157.421) 8(128.234,160.342) 8(154.546,16.437) 8(154.546,57.437) 8(154.546,98.437) 8(154.546,139.437) 8(154.546,180.437) 8(157.467,16.437) 8(157.467,57.437) 8(157.467,98.437) 8(157.467,139.437) 8(157.467,180.437) 8(181.834,34.421) 8(181.834,37.342) 8(181.834,75.421) 8(181.834,78.342) 8(181.834,116.421) 8(181.834,119.342) 8(181.834,157.421) 8(181.834,160.342) 9(20.284,34.421) 9(20.284,37.342) 9(20.284,75.421) 9(20.284,78.342) 9(20.284,116.421) 9(20.284,119.342) 9(20.284,157.421) 9(20.284,160.342) 9(47.346,15.687) 9(47.346,56.687) 9(47.346,97.687) 9(47.346,138.687) 9(47.346,179.687) 9(50.267,15.687) 9(50.267,56.687) 9(50.267,97.687) 9(50.267,138.687) 9(50.267,179.687) 9(73.884,34.421) 9(73.884,37.342) 9(73.884,75.421) 9(73.884,78.342) 9(73.884,116.421) 9(73.884,119.342) 9(73.884,157.421) 9(73.884,160.342) 9(100.946,15.687) 9(100.946,56.687) 9(100.946,97.687) 9(100.946,138.687) 9(100.946,179.687) 9(103.867,15.687) 9(103.867,56.687) 9(103.867,97.687) 9(103.867,138.687) 9(103.867,179.687) 9(127.484,34.421) 9(127.484,37.342) 9(127.484,75.421) 9(127.484,78.342) 9(127.484,116.421) 9(127.484,119.342) 9(127.484,157.421) 9(127.484,160.342) 9(154.546,15.687) 9(154.546,56.687) 9(154.546,97.687) 9(154.546,138.687) 9(154.546,179.687) 9(157.467,15.687) 9(157.467,56.687) 9(157.467,97.687) 9(157.467,138.687) 9(157.467,179.687) 9(181.084,34.421) 9(181.084,37.342) 9(181.084,75.421) 9(181.084,78.342) 9(181.084,116.421) 9(181.084,119.342) 9(181.084,157.421) 9(181.084,160.342) 10(19.534,34.421) 10(19.534,37.342) 10(19.534,75.421) 10(19.534,78.342) 10(19.534,116.421) 10(19.534,119.342) 10(19.534,157.421) 10(19.534,160.342) 10(47.346,14.937) 10(47.346,55.937) 10(47.346,96.937) 10(47.346,137.937) 10(47.346,178.937) 10(50.267,14.937) 10(50.267,55.937) 10(50.267,96.937) 10(50.267,137.937) 10(50.267,178.937) 10(73.134,34.421) 10(73.134,37.342) 10(73.134,75.421) 10(73.134,78.342) 10(73.134,116.421) 10(73.134,119.342) 10(73.134,157.421) 10(73.134,160.342) 10(100.946,14.937) 10(100.946,55.937) 10(100.946,96.937) 10(100.946,137.937) 10(100.946,178.937) 10(103.867,14.937) 10(103.867,55.937) 10(103.867,96.937) 10(103.867,137.937) 10(103.867,178.937) 10(126.734,34.421) 10(126.734,37.342) 10(126.734,75.421) 10(126.734,78.342) 10(126.734,116.421) 10(126.734,119.342) 10(126.734,157.421) 10(126.734,160.342) 10(154.546,14.937) 10(154.546,55.937) 10(154.546,96.937) 10(154.546,137.937) 10(154.546,178.937) 10(157.467,14.937) 10(157.467,55.937) 10(157.467,96.937) 10(157.467,137.937) 10(157.467,178.937) 10(180.334,34.421) 10(180.334,37.342) 10(180.334,75.421) 10(180.334,78.342) 10(180.334,116.421) 10(180.334,119.342) 10(180.334,157.421) 10(180.334,160.342) 11(18.784,34.421) 11(18.784,37.342) 11(18.784,75.421) 11(18.784,78.342) 11(18.784,116.421) 11(18.784,119.342) 11(18.784,157.421) 11(18.784,160.342) 11(47.346,14.187) 11(47.346,55.187) 11(47.346,96.187) 11(47.346,137.187) 11(47.346,178.187) 11(50.267,14.187) 11(50.267,55.187) 11(50.267,96.187) 11(50.267,137.187) 11(50.267,178.187) 11(72.384,34.421) 11(72.384,37.342) 11(72.384,75.421) 11(72.384,78.342) 11(72.384,116.421) 11(72.384,119.342) 11(72.384,157.421) 11(72.384,160.342) 11(100.946,14.187) 11(100.946,55.187) 11(100.946,96.187) 11(100.946,137.187) 11(100.946,178.187) 11(103.867,14.187) 11(103.867,55.187) 11(103.867,96.187) 11(103.867,137.187) 11(103.867,178.187) 11(125.984,34.421) 11(125.984,37.342) 11(125.984,75.421) 11(125.984,78.342) 11(125.984,116.421) 11(125.984,119.342) 11(125.984,157.421) 11(125.984,160.342) 11(154.546,14.187) 11(154.546,55.187) 11(154.546,96.187) 11(154.546,137.187) 11(154.546,178.187) 11(157.467,14.187) 11(157.467,55.187) 11(157.467,96.187) 11(157.467,137.187) 11(157.467,178.187) 11(179.584,34.421) 11(179.584,37.342) 11(179.584,75.421) 11(179.584,78.342) 11(179.584,116.421) 11(179.584,119.342) 11(179.584,157.421) 11(179.584,160.342) 12(18.034,34.421) 12(18.034,37.342) 12(18.034,75.421) 12(18.034,78.342) 12(18.034,116.421) 12(18.034,119.342) 12(18.034,157.421) 12(18.034,160.342) 12(47.346,13.437) 12(47.346,54.437) 12(47.346,95.437) 12(47.346,136.437) 12(47.346,177.437) 12(50.267,13.437) 12(50.267,54.437) 12(50.267,95.437) 12(50.267,136.437) 12(50.267,177.437) 12(71.634,34.421) 12(71.634,37.342) 12(71.634,75.421) 12(71.634,78.342) 12(71.634,116.421) 12(71.634,119.342) 12(71.634,157.421) 12(71.634,160.342) 12(100.946,13.437) 12(100.946,54.437) 12(100.946,95.437) 12(100.946,136.437) 12(100.946,177.437) 12(103.867,13.437) 12(103.867,54.437) 12(103.867,95.437) 12(103.867,136.437) 12(103.867,177.437) 12(125.234,34.421) 12(125.234,37.342) 12(125.234,75.421) 12(125.234,78.342) 12(125.234,116.421) 12(125.234,119.342) 12(125.234,157.421) 12(125.234,160.342) 12(154.546,13.437) 12(154.546,54.437) 12(154.546,95.437) 12(154.546,136.437) 12(154.546,177.437) 12(157.467,13.437) 12(157.467,54.437) 12(157.467,95.437) 12(157.467,136.437) 12(157.467,177.437) 12(178.834,34.421) 12(178.834,37.342) 12(178.834,75.421) 12(178.834,78.342) 12(178.834,116.421) 12(178.834,119.342) 12(178.834,157.421) 12(178.834,160.342)
  round 5.5 hole 3.5: 10(0,0) 10(0,41) 10(0,82) 10(0,123) 10(0,164) 10(53.6,0) 10(53.6,41) 10(53.6,82) 10(53.6,123) 10(53.6,164) 10(107.2,0) 10(107.2,41) 10(107.2,82) 10(107.2,123) 10(107.2,164) 10(160.8,0) 10(160.8,41) 10(160.8,82) 10(160.8,123) 10(160.8,164) 11(0,30.861) 11(0,71.861) 11(0,112.861) 11(0,153.861) 11(0,194.861) 11(53.6,30.861) 11(53.6,71.861) 11(53.6,112.861) 11(53.6,153.861) 11(53.6,194.861) 11(107.2,30.861) 11(107.2,71.861) 11(107.2,112.861) 11(107.2,153.861) 11(107.2,194.861) 11(160.8,30.861) 11(160.8,71.861) 11(160.8,112.861) 11(160.8,153.861) 11(160.8,194.861) 12(43.51,0) 12(43.51,41) 12(43.51,82) 12(43.51,123) 12(43.51,164) 12(97.11,0) 12(97.11,41) 12(97.11,82) 12(97.11,123) 12(97.11,164) 12(150.71,0) 12(150.71,41) 12(150.71,82) 12(150.71,123) 12(150.71,164) 12(204.31,0) 12(204.31,41) 12(204.31,82) 12(204.31,123) 12(204.31,164) 13(43.51,30.861) 13(43.51,71.861) 13(43.51,112.861) 13(43.51,153.861) 13(43.51,194.861) 13(97.11,30.861) 13(97.11,71.861) 13(97.11,112.861) 13(97.11,153.861) 13(97.11,194.861) 13(150.71,30.861) 13(150.71,71.861) 13(150.71,112.861) 13(150.71,153.861) 13(150.71,194.861) 13(204.31,30.861) 13(204.31,71.861) 13(204.31,112.861) 13(204.31,153.861) 13(204.31,194.861)

## Via types
v1: diameter 0.5, hole 0.3, Top Layer to Bottom Layer, tented both sides, 360 vias
v2: diameter 1.2, hole 1, Top Layer to Bottom Layer, tented both sides, 100 vias
v3: diameter 1.7, hole 1.5, Top Layer to Bottom Layer, tented both sides, 20 vias